# Allegro board 8880F5-0823_2_1.brd (continued)
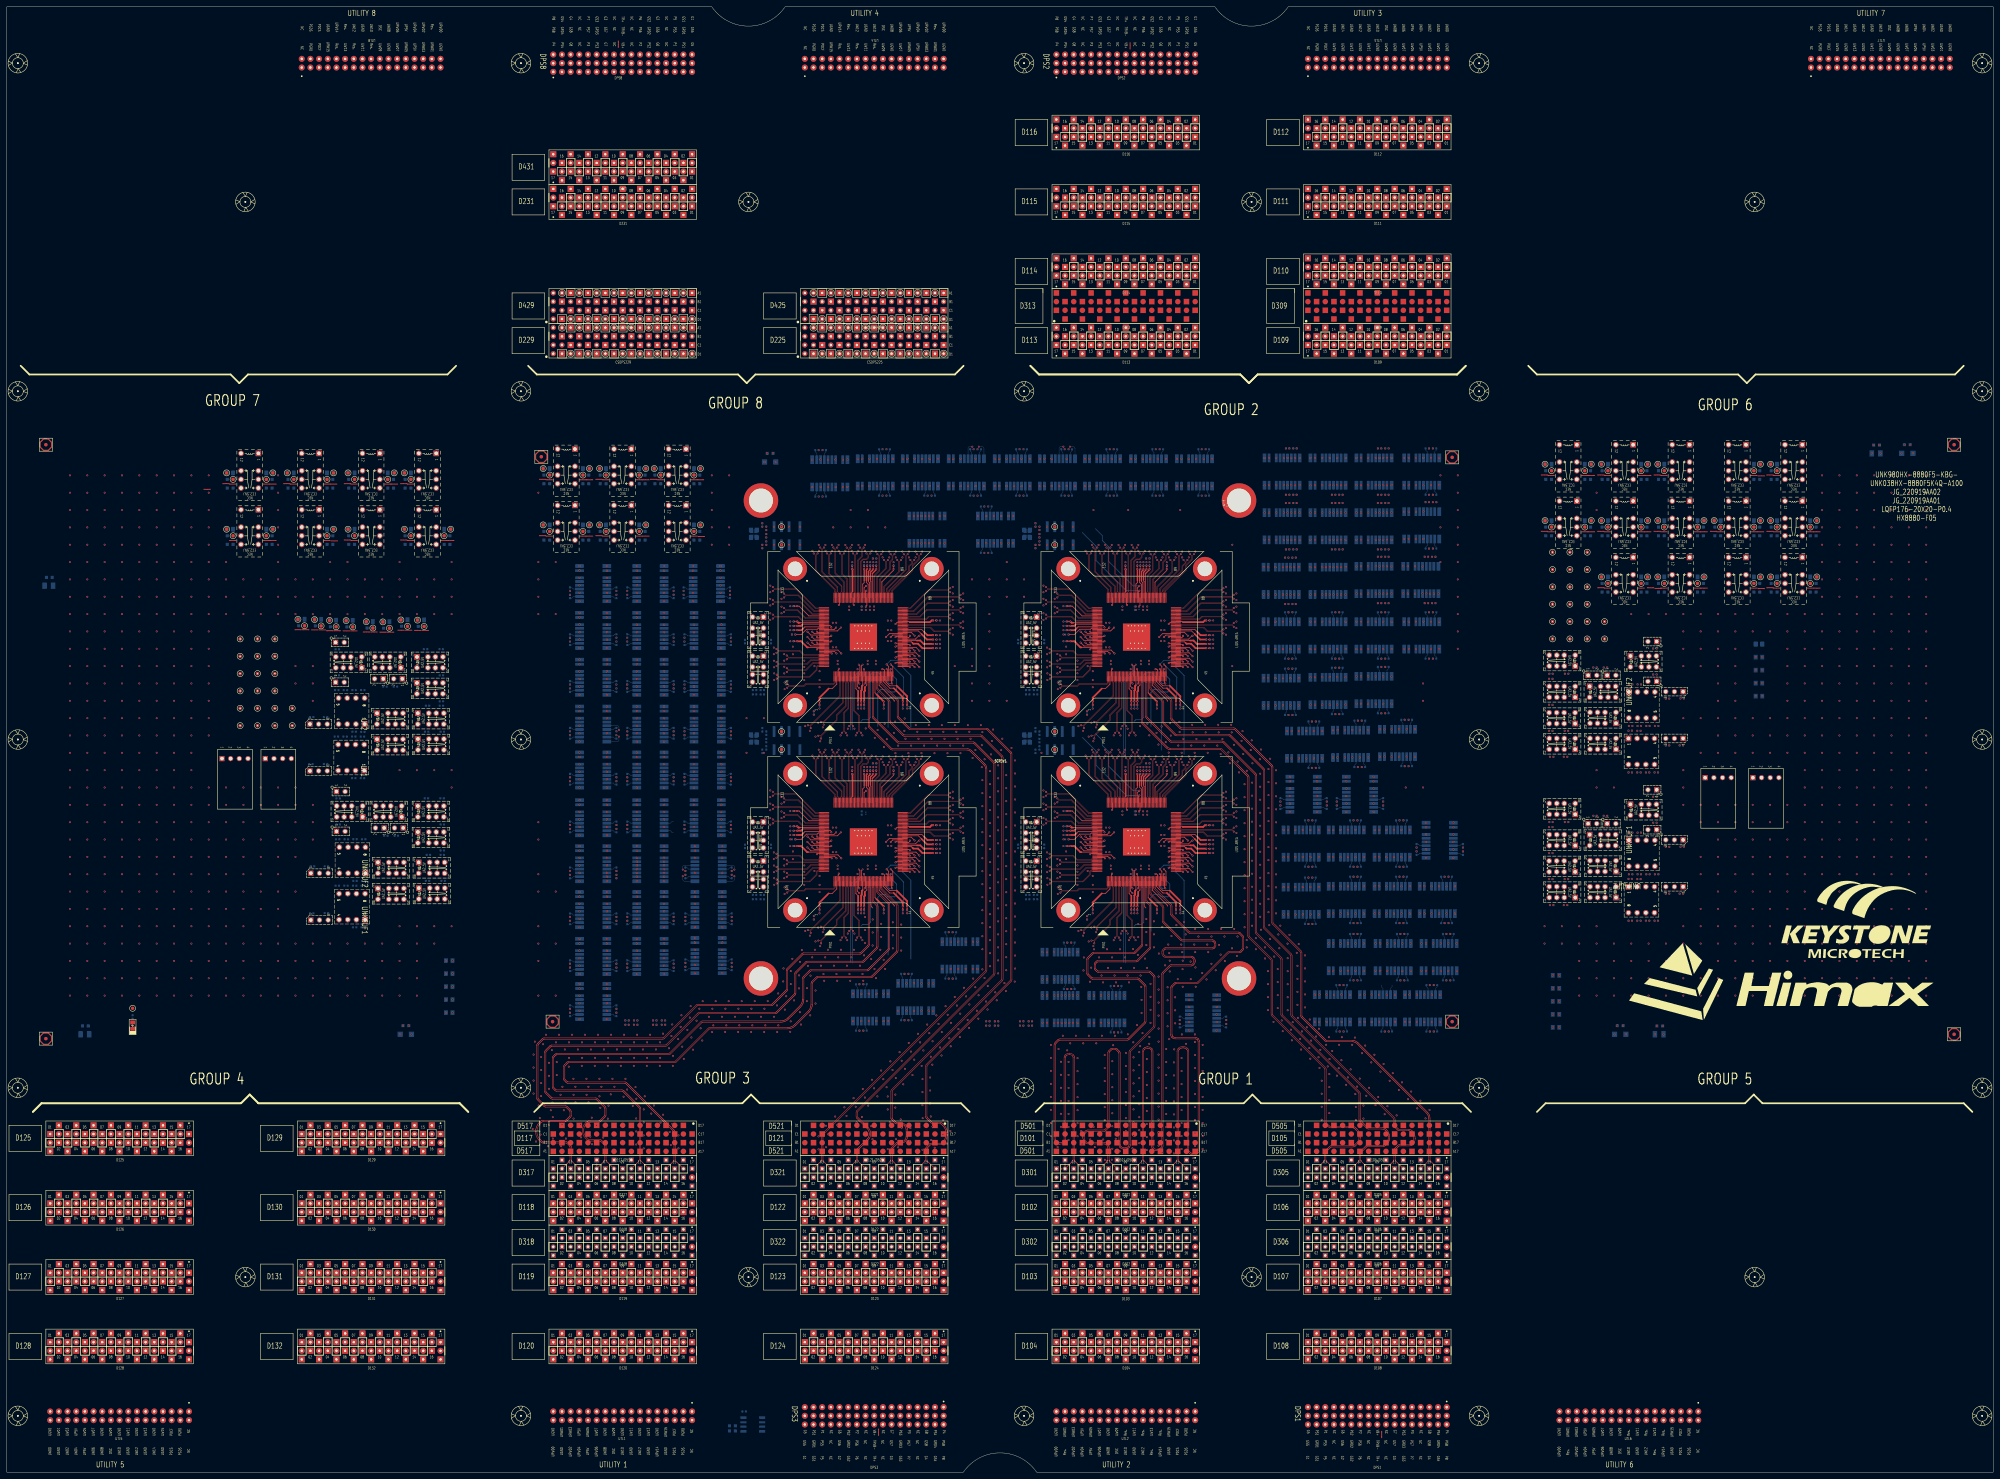
[diagram p0: board, top side]
## Routing (per net, layer and track width the routed paths; a pad name or vN(x,y) marks a point on that pad's centre or on a via; arc(x,y) is an arc through that point) (continued)
  L30_SIGNAL w0.071: v1(409.21,157.67) 408.74,158.14 408.74,159.46 407.95,160.25 406.51,160.25 403.23,163.54 403.23,181.35 400.22,184.35 370.88,184.35 367.52,187.71 364.09,187.71 361.04,190.76 356.72,190.76 v1(356.24,191.23)
S4_1TX_100DCH004+: length 167.8
  TOP w0.086: v1(359.29,192.02) 358.8,192.51 349.46,192.51 347.46,190.51 344.06,190.51 343.98,190.43 SITE4.81
  L07_SIGNAL w0.071: v1(408.07,144.08) 408.47,144.08 408.54,144.01 408.54,116.02
  L30_SIGNAL w0.071: v1(359.29,192.02) 359.76,192.49 366.48,192.49 373.31,185.66 406.99,185.66 411.46,181.18 411.46,171.91 414.42,168.95 422.08,168.95 425.63,165.4 425.63,154.24 423.35,151.96 408.78,151.96 407.35,150.53 407.35,146.59 408.54,145.4 408.54,144.55 v1(408.07,144.08)
S4_1TX_100DCH004-: length 168.1
  TOP w0.086: v1(359.29,193.16) 358.88,192.75 349.36,192.75 347.37,190.75 344.06,190.75 343.98,190.83 SITE4.82
  L07_SIGNAL w0.071: v1(409.21,144.08) 408.81,144.08 408.74,144.01 408.74,116.02
  L30_SIGNAL w0.071: v1(409.21,144.08) 408.74,144.55 408.74,145.48 407.55,146.67 407.55,150.45 408.86,151.76 423.43,151.76 425.82,154.16 425.82,165.48 422.16,169.15 414.5,169.15 411.66,171.99 411.66,181.26 407.07,185.85 373.39,185.85 366.56,192.69 359.76,192.69 v1(359.29,193.16)
S4_1TX_100DCH005+: length 349.8
  TOP w0.086: v1(356.24,193.95) 355.8,194.39 349.61,194.39 346.53,191.31 344.06,191.31 343.98,191.23 SITE4.83
  L07_SIGNAL w0.071: v1(324.25,142.43) 324.65,142.43 324.72,142.36 324.72,141.31 325.98,140.05 325.98,136.96 336.16,126.78 337.81,126.78 341.67,122.92 351.86,122.92 358.88,115.89 358.88,93.49
  L30_SIGNAL w0.071: v1(324.25,142.43) 324.72,141.96 324.72,140.98 325.53,140.17 328.46,140.17 331.92,143.64 344.44,143.64 347.85,140.23 347.85,130.22 352.85,125.22 384.09,125.22 385.18,124.13 396.88,124.13 397.94,123.07 416.57,123.07 428.52,135.03 428.52,189.59 426.43,191.68 412.67,191.68 410.09,189.1 379.69,189.1 377.34,191.45 370.55,191.45 366.32,195.68 362.8,195.68 361.81,194.69 359.32,194.69 357.4,196.62 355.4,196.62 354.77,195.98 354.77,194.95 355.29,194.42 355.77,194.42 v1(356.24,193.95)
S4_1TX_100DCH005-: length 348.1
  TOP w0.086: v1(356.24,195.09) 355.78,194.63 349.51,194.63 346.43,191.55 344.06,191.55 343.98,191.63 SITE4.84
  L07_SIGNAL w0.071: v1(325.39,142.43) 324.99,142.43 324.92,142.36 324.92,141.39 326.18,140.13 326.18,137.04 336.24,126.98 337.89,126.98 341.76,123.11 351.94,123.11 359.08,115.98 359.08,93.49
  L30_SIGNAL w0.071: v1(325.39,142.43) 324.92,141.96 324.92,141.06 325.61,140.37 328.37,140.37 331.84,143.84 344.52,143.84 348.05,140.31 348.05,130.31 352.93,125.42 384.17,125.42 385.27,124.33 396.96,124.33 398.02,123.27 416.49,123.27 428.32,135.11 428.32,189.51 426.35,191.49 412.75,191.49 410.17,188.9 379.61,188.9 377.26,191.25 370.47,191.25 366.24,195.48 362.88,195.48 361.9,194.49 359.24,194.49 357.31,196.42 355.48,196.42 354.97,195.9 354.97,195.03 355.38,194.62 355.77,194.62 v1(356.24,195.09)
S4_1TX_100DCH006+: length 330.5
  TOP w0.086: SITE4.85 343.98,192.03 344.06,192.11 345.58,192.11 349.82,196.36 358.81,196.36 v1(359.29,195.88)
  L07_SIGNAL w0.071: v1(324.25,128.84) 324.65,128.84 324.72,128.91 324.72,129.82 325.12,130.22 328.61,130.22 339.48,119.35 351.84,119.35 355.21,115.98 355.21,93.23
  L30_SIGNAL w0.071: v1(359.29,195.88) 359.76,196.35 366.37,196.35 370.78,191.95 377.66,191.95 380.1,189.5 409.24,189.5 412.66,192.93 427.07,192.93 429.44,190.56 429.44,132.56 415.6,118.72 395.8,118.72 394.81,119.71 343.71,119.71 342.01,121.42 337.17,121.42 327.71,130.88 325.59,130.88 324.72,130.02 324.72,129.31 v1(324.25,128.84)
S4_1TX_100DCH006-: length 330.1
  TOP w0.086: SITE4.86 343.98,192.43 344.06,192.35 345.48,192.35 349.73,196.6 358.87,196.6 v1(359.29,197.02)
  L07_SIGNAL w0.071: v1(325.39,128.84) 324.99,128.84 324.92,128.91 324.92,129.74 325.2,130.02 328.53,130.02 339.4,119.15 351.76,119.15 355.02,115.9 355.02,93.23
  L30_SIGNAL w0.071: v1(359.29,197.02) 359.76,196.55 366.46,196.55 370.86,192.15 377.74,192.15 380.19,189.7 409.15,189.7 412.58,193.13 427.15,193.13 429.64,190.64 429.64,132.48 415.68,118.53 395.72,118.53 394.73,119.51 343.63,119.51 341.92,121.22 337.09,121.22 327.63,130.68 325.67,130.68 324.92,129.94 324.92,129.31 v1(325.39,128.84)
S4_1TX_100DCH007+: length 218.4
  TOP w0.086: v1(356.24,197.81) 355.83,198.23 349.88,198.23 344.57,192.91 344.06,192.91 343.98,192.83 SITE4.87
  L07_SIGNAL w0.071: v1(409.34,220.41) 409.74,220.41 409.81,220.34 409.81,218.73 411.45,217.1 411.45,156.45 413.49,154.41 413.49,113.26
  L30_SIGNAL w0.071: v1(356.24,197.81) 356.72,198.28 362.95,198.28 363.85,199.18 376.1,199.18 379.88,195.39 379.88,190.79 380.51,190.16 386.08,190.16 388.83,192.9 388.83,206.13 387.14,207.82 387.14,209.63 389.74,212.23 403.31,212.23 406.57,215.5 406.57,222.52 407.28,223.23 408.72,223.23 409.81,222.14 409.81,220.88 v1(409.34,220.41)
S4_1TX_100DCH007-: length 218.7
  TOP w0.086: v1(356.24,198.95) 355.76,198.47 349.78,198.47 344.47,193.15 344.06,193.15 343.98,193.23 SITE4.88
  L07_SIGNAL w0.071: 413.69,113.26 413.69,154.5 411.65,156.53 411.65,217.18 410.01,218.82 410.01,220.34 410.08,220.41 v1(410.48,220.41)
  L30_SIGNAL w0.071: v1(356.24,198.95) 356.72,198.48 362.87,198.48 363.77,199.37 376.18,199.37 380.08,195.48 380.08,190.87 380.59,190.36 386,190.36 388.63,192.99 388.63,206.05 386.94,207.74 386.94,209.71 389.66,212.43 403.23,212.43 406.38,215.58 406.38,222.61 407.2,223.43 408.8,223.43 410.01,222.22 410.01,220.88 v1(410.48,220.41)
S4_2AUX+:
  vias: v1(300.22,132.08) v1(300.22,130.81)
S4_2AUX-:
  vias: v1(296.68,130.81) v1(297.68,132.08)
S4_2TX_100DCH001+: length 206.1
  TOP w0.086: v1(347.64,208.93) 347.21,208.5 347.21,207.41 345.32,205.52 345.32,204.13 339.35,198.16 339.35,197.86 339.43,197.78 SITE4.89
  L05_SIGNAL w0.071: 441.62,103.42 441.62,175.55 425.33,191.84 419.18,191.84 409.81,201.21 409.81,206.75 409.74,206.82 v1(409.34,206.82)
  L32_SIGNAL w0.071: v1(409.34,206.82) 409.81,207.29 409.81,208.53 405.73,212.61 364.3,212.61 363.28,211.59 347.69,211.59 347.17,211.08 347.17,209.4 v1(347.64,208.93)
S4_2TX_100DCH001-: length 206.8
  TOP w0.086: v1(346.5,208.93) 346.97,208.46 346.97,207.51 345.08,205.62 345.08,204.23 339.11,198.26 339.11,197.86 339.03,197.78 SITE4.90
  L05_SIGNAL w0.071: v1(410.48,206.82) 410.08,206.82 410.01,206.75 410.01,201.29 419.27,192.04 425.41,192.04 441.82,175.63 441.82,103.42
  L32_SIGNAL w0.071: v1(410.48,206.82) 410.01,207.29 410.01,208.61 405.81,212.81 364.22,212.81 363.2,211.79 347.61,211.79 346.97,211.16 346.97,209.4 v1(346.5,208.93)
S4_2TX_100DCH002+: length 213.3
  TOP w0.086: v1(345.72,207.21) 345.28,206.78 345.28,206.31 344.35,205.37 344.35,204.04 338.55,198.23 338.55,197.86 338.63,197.78 SITE4.91
  L05_SIGNAL w0.071: 425.31,102.12 425.31,152.51 422,155.81 422,157.6 421.93,157.67 v1(421.53,157.67)
  L32_SIGNAL w0.071: v1(421.53,157.67) 422,157.2 422,155.99 424.45,153.55 426.35,153.55 427.29,154.49 427.29,192.87 420.47,199.7 360.61,199.7 357.38,196.47 349.01,196.47 345.24,200.23 345.24,206.74 v1(345.72,207.21)
S4_2TX_100DCH002-: length 212.7
  TOP w0.086: v1(344.57,207.21) 345.04,206.74 345.04,206.4 344.11,205.47 344.11,204.13 338.31,198.33 338.31,197.86 338.23,197.78 SITE4.92
  L05_SIGNAL w0.071: v1(422.68,157.67) 422.27,157.67 422.2,157.6 422.2,155.9 425.51,152.59 425.51,102.12
  L32_SIGNAL w0.071: v1(344.57,207.21) 345.04,206.74 345.04,200.15 348.93,196.27 357.46,196.27 360.69,199.5 420.38,199.5 427.09,192.79 427.09,154.57 426.27,153.74 424.53,153.74 422.2,156.07 422.2,157.2 v1(422.68,157.67)
S4_2TX_100DCH003+: length 213.2
  TOP w0.086: v1(343.79,208.93) 343.34,208.49 343.34,204.27 337.75,198.68 337.75,197.86 337.83,197.78 SITE4.93
  L05_SIGNAL w0.071: 422,101.87 422,144.01 421.93,144.08 v1(421.53,144.08)
  L32_SIGNAL w0.071: v1(421.53,144.08) 422.01,144.56 422.01,145.55 427.98,151.53 427.98,201.66 415.42,214.22 371.28,214.22 369.91,215.59 347.22,215.59 343.31,211.69 343.31,209.4 v1(343.79,208.93)
S4_2TX_100DCH003-: length 213.9
  TOP w0.086: v1(342.64,208.93) 343.1,208.47 343.1,204.37 337.51,198.78 337.51,197.86 337.43,197.78 SITE4.94
  L05_SIGNAL w0.071: v1(422.68,144.08) 422.27,144.08 422.2,144.01 422.2,101.87
  L32_SIGNAL w0.071: v1(422.68,144.08) 422.21,144.55 422.21,145.47 428.18,151.44 428.18,201.75 415.51,214.42 371.37,214.42 369.99,215.79 347.14,215.79 343.12,211.77 343.12,209.4 v1(342.64,208.93)
S4_2TX_100DCH004+: length 281.2
  TOP w0.086: v1(341.86,207.21) 341.41,206.77 341.41,203.74 336.95,199.28 336.95,197.86 337.03,197.78 SITE4.95
  L05_SIGNAL w0.071: v1(394.35,157.67) 394.76,157.67 394.83,157.6 394.83,156.42 396.28,154.96 396.28,140.99 396.79,140.48 396.79,125.46 394.06,122.73 394.06,102.43
  L32_SIGNAL w0.071: v1(394.35,157.67) 394.83,158.14 394.83,159.08 395.84,160.09 400.33,160.09 403.74,156.68 417.43,156.68 419.04,155.07 419.04,145.03 420.96,143.11 424.94,143.11 430.69,148.86 430.69,202.43 417.29,215.82 374.24,215.82 372.38,217.68 345.79,217.68 341.38,213.27 341.38,207.69 v1(341.86,207.21)
S4_2TX_100DCH004-: length 281.9
  TOP w0.086: v1(340.71,207.21) 341.17,206.75 341.17,203.84 336.71,199.38 336.71,197.86 336.63,197.78 SITE4.96
  L05_SIGNAL w0.071: 394.26,102.43 394.26,122.65 396.99,125.38 396.99,140.56 396.48,141.07 396.48,155.05 395.03,156.5 395.03,157.6 395.1,157.67 v1(395.5,157.67)
  L32_SIGNAL w0.071: v1(395.5,157.67) 395.02,158.14 395.02,159 395.92,159.9 400.25,159.9 403.66,156.48 417.35,156.48 418.84,154.99 418.84,144.95 420.87,142.91 425.02,142.91 430.88,148.78 430.88,202.51 417.37,216.02 374.32,216.02 372.46,217.88 345.71,217.88 341.19,213.36 341.19,207.69 v1(340.71,207.21)
S4_2TX_100DCH005+: length 278.1
  TOP w0.086: v1(339.93,208.93) 339.46,208.47 339.46,207.3 338.7,206.53 338.7,204.43 335.75,201.48 335.75,197.86 335.83,197.78 SITE4.98
  L05_SIGNAL w0.071: v1(394.35,144.08) 394.76,144.08 394.83,144.01 394.83,129.6 391.44,126.21 391.44,101.9
  L32_SIGNAL w0.071: v1(339.93,208.93) 339.45,209.4 339.45,212.46 338.49,213.43 338.49,216.25 340.43,218.19 419,218.19 433.21,203.98 433.21,145.78 425.99,138.56 401.79,138.56 400.81,139.53 400.81,145.75 398.21,148.36 397.41,148.36 394.83,145.77 394.83,144.55 v1(394.35,144.08)
S4_2TX_100DCH005-: length 278.8
  TOP w0.086: SITE4.99 335.43,197.78 335.51,197.86 335.51,201.58 338.46,204.53 338.46,206.63 339.22,207.4 339.22,208.49 v1(338.78,208.93)
  L05_SIGNAL w0.071: 391.64,101.9 391.64,126.12 395.03,129.51 395.03,144.01 395.1,144.08 v1(395.5,144.08)
  L32_SIGNAL w0.071: v1(395.5,144.08) 395.02,144.55 395.02,145.69 397.49,148.16 398.12,148.16 400.62,145.67 400.62,139.45 401.7,138.36 426.07,138.36 433.41,145.7 433.41,204.06 419.09,218.39 340.35,218.39 338.29,216.33 338.29,213.35 339.26,212.38 339.26,209.4 v1(338.78,208.93)
S4_2TX_100DCH006+: length 203.9
  TOP w0.086: v1(338,207.21) 337.55,206.76 337.55,204.67 334.95,202.07 334.95,197.86 335.03,197.78 SITE4.100
  L05_SIGNAL w0.071: v1(426.4,182.99) 426.4,182.59 426.47,182.52 427.79,182.52 440.08,170.22 440.08,103.14
  L32_SIGNAL w0.071: v1(426.4,182.99) 425.93,182.52 424.72,182.52 415.23,192 393.71,192 392.01,190.29 374.85,190.29 372.95,192.2 362.13,192.2 360.86,190.93 359.63,190.93 357.54,193.01 350.99,193.01 344.12,199.88 339.26,199.88 337.53,201.61 337.53,206.74 v1(338,207.21)
S4_2TX_100DCH006-: length 203.9
  TOP w0.086: v1(336.85,207.21) 337.31,206.76 337.31,204.77 334.71,202.17 334.71,197.86 334.63,197.78 SITE4.101
  L05_SIGNAL w0.071: v1(426.4,181.84) 426.4,182.25 426.47,182.32 427.71,182.32 439.88,170.14 439.88,103.14
  L32_SIGNAL w0.071: v1(336.85,207.21) 337.33,206.74 337.33,201.53 339.18,199.68 344.04,199.68 350.91,192.82 357.46,192.82 359.55,190.73 360.94,190.73 362.21,192 372.87,192 374.77,190.1 392.09,190.1 393.79,191.8 415.15,191.8 424.63,182.32 425.93,182.32 v1(426.4,181.84)
S4_2TX_100DCH007+: length 205.6
  TOP w0.086: v1(336.07,208.93) 335.64,208.51 335.64,204.07 334.15,202.58 334.15,197.86 334.23,197.78 SITE4.102
  L05_SIGNAL w0.071: v1(412.81,182.99) 412.81,182.59 412.89,182.52 414.5,182.52 415.72,181.29 424.33,181.29 437.99,167.63 437.99,103.09
  L32_SIGNAL w0.071: v1(412.81,182.99) 412.32,182.5 407.75,182.5 405.49,184.75 405.49,188.39 404.36,189.52 369.32,189.52 367.12,191.71 362.46,191.71 361.14,190.4 359.41,190.4 357.44,192.37 350.37,192.37 343.59,199.14 338.86,199.14 335.6,202.4 335.6,208.46 v1(336.07,208.93)
S4_2TX_100DCH007-: length 205.6
  TOP w0.086: v1(334.93,208.93) 335.4,208.46 335.4,204.17 333.91,202.68 333.91,197.86 333.83,197.78 SITE4.103
  L05_SIGNAL w0.071: v1(412.81,181.84) 412.81,182.25 412.89,182.32 414.41,182.32 415.64,181.09 424.25,181.09 437.79,167.54 437.79,103.09
  L32_SIGNAL w0.071: v1(334.93,208.93) 335.4,208.46 335.4,202.32 338.77,198.94 343.51,198.94 350.28,192.17 357.36,192.17 359.33,190.2 361.23,190.2 362.54,191.52 367.04,191.52 369.23,189.32 404.28,189.32 405.3,188.3 405.3,184.67 407.67,182.3 412.36,182.3 v1(412.81,181.84)
S4_3TX_100DCH002+: length 225.2
  TOP w0.086: SITE4.114 329.43,197.78 329.35,197.86 329.35,207.06 330.46,208.18 330.46,210.4 v1(330.93,210.87)
  L07_SIGNAL w0.071: v1(403.5,129.1) 403.9,129.1 403.97,129.02 403.97,108.56 400.91,105.5 400.91,103.04
  L30_SIGNAL w0.071: v1(403.5,129.1) 403.98,128.61 403.98,127.04 403.4,126.45 401.62,126.45 400.84,127.24 400.84,134.86 402.67,136.7 418.5,136.7 420.76,138.95 420.76,142.71 419.12,144.35 414.37,144.35 412.68,142.66 402.3,142.66 398.7,146.26 398.7,177.74 395.32,181.12 359.47,181.12 353.69,186.9 346.84,186.9 330.46,203.29 330.46,210.4 v1(330.93,210.87)
S4_3TX_100DCH002-: length 225.8
  TOP w0.086: v1(329.79,210.87) 330.22,210.43 330.22,208.28 329.11,207.16 329.11,197.86 329.03,197.78 SITE4.115
  L07_SIGNAL w0.071: 401.11,103.04 401.11,105.42 404.17,108.48 404.17,129.02 404.24,129.1 v1(404.64,129.1)
  L30_SIGNAL w0.071: v1(329.79,210.87) 330.26,210.4 330.26,203.2 346.76,186.7 353.61,186.7 359.39,180.92 395.23,180.92 398.5,177.66 398.5,146.18 402.21,142.47 412.76,142.47 414.45,144.16 419.03,144.16 420.56,142.63 420.56,139.04 418.42,136.9 402.59,136.9 400.64,134.94 400.64,127.15 401.54,126.25 403.48,126.25 404.18,126.95 404.18,128.64 v1(404.64,129.1)
S4_3TX_100DCH003+: length 183.9
  TOP w0.086: SITE4.116 328.63,197.78 328.55,197.86 328.55,208.77 v1(328.93,209.15)
  L07_SIGNAL w0.071: v1(381.15,190.94) 381.55,190.94 381.62,190.87 381.62,189.99 380.18,188.55 380.18,183.07 378.42,181.31 378.42,156.17 370.1,147.85 370.1,104.56
  L30_SIGNAL w0.071: v1(381.15,190.94) 381.55,190.94 381.62,191.02 381.62,199.41 379.48,201.55 379.48,210.1 374.52,215.06 359.65,215.06 358.11,213.51 344.13,213.51 343.09,214.54 330.34,214.54 328.46,212.66 328.46,209.62 v1(328.93,209.15)
S4_3TX_100DCH003-: length 184.6
  TOP w0.086: SITE4.117 328.23,197.78 328.31,197.86 328.31,208.63 v1(327.79,209.15)
  L07_SIGNAL w0.071: 370.3,104.56 370.3,147.77 378.62,156.09 378.62,181.23 380.38,182.99 380.38,188.47 381.82,189.91 381.82,190.87 381.89,190.94 v1(382.29,190.94)
  L30_SIGNAL w0.071: v1(327.79,209.15) 328.26,209.62 328.26,212.75 330.26,214.74 343.18,214.74 344.21,213.71 358.02,213.71 359.57,215.25 374.61,215.25 379.68,210.18 379.68,201.63 381.82,199.49 381.82,191.02 381.89,190.94 v1(382.29,190.94)
S4_3TX_100DCH004+: length 174.2
  TOP w0.086: SITE4.120 327.03,197.78 326.95,197.86 326.95,202.28 326.61,202.62 326.61,210.41 v1(327.07,210.87)
  L07_SIGNAL w0.071: 375.3,103.75 375.3,127.8 381.13,133.63 381.13,139.42 384.81,143.11 384.81,173.1 381.62,176.29 381.62,177.28 381.55,177.36 v1(381.15,177.36)
  L30_SIGNAL w0.071: v1(381.15,177.36) 381.62,176.88 381.62,175.67 380.87,174.92 373.86,174.92 371.84,176.94 353.3,176.94 348.43,181.8 346.06,181.8 342.91,184.95 342.91,189.2 340.99,191.13 337.77,191.13 326.6,202.3 326.6,210.4 v1(327.07,210.87)
S4_3TX_100DCH004-: length 174.9
  TOP w0.086: SITE4.121 326.63,197.78 326.71,197.86 326.71,202.19 326.38,202.52 326.38,210.42 v1(325.93,210.87)
  L07_SIGNAL w0.071: 375.5,103.75 375.5,127.72 381.33,133.55 381.33,139.34 385.01,143.03 385.01,173.18 381.82,176.37 381.82,177.28 381.89,177.36 v1(382.29,177.36)
  L30_SIGNAL w0.071: v1(382.29,177.36) 381.82,176.88 381.82,175.58 380.96,174.72 373.78,174.72 371.76,176.74 353.21,176.74 348.35,181.6 345.98,181.6 342.72,184.87 342.72,189.12 340.91,190.93 337.69,190.93 326.4,202.22 326.4,210.4 v1(325.93,210.87)
S4_3TX_100DCH005+: length 193.2
  TOP w0.086: v1(325.14,209.15) 324.69,208.7 324.69,203.17 326.15,201.71 326.15,197.86 326.23,197.78 SITE4.122
  L07_SIGNAL w0.071: v1(394.35,174.43) 394.76,174.43 394.83,174.36 394.83,172.79 389.38,167.34 389.38,130.96 385.52,127.1 385.52,117.62 384.04,116.14 384.04,104.59
  L30_SIGNAL w0.071: v1(325.14,209.15) 324.67,208.68 324.67,196.15 326.01,194.81 326.01,176.77 329.58,173.19 394.39,173.19 394.83,173.63 394.83,173.96 v1(394.35,174.43)
S4_3TX_100DCH005-: length 193.9
  TOP w0.086: SITE4.123 325.83,197.78 325.91,197.86 325.91,201.61 324.46,203.07 324.46,208.69 v1(324,209.15)
  L07_SIGNAL w0.071: v1(395.5,174.43) 395.1,174.43 395.03,174.36 395.03,172.71 389.58,167.26 389.58,130.88 385.71,127.02 385.71,117.54 384.24,116.06 384.24,104.59
  L30_SIGNAL w0.071: v1(395.5,174.43) 395.02,173.96 395.02,173.55 394.47,173 329.5,173 325.82,176.68 325.82,194.73 324.47,196.07 324.47,208.68 v1(324,209.15)
S4_3TX_100DCH006+: length 195.4
  TOP w0.086: v1(323.16,210.88) 322.73,210.45 322.73,203.37 325.35,200.75 325.35,197.86 325.43,197.78 SITE4.124
  L07_SIGNAL w0.071: v1(394.35,160.85) 394.76,160.85 394.83,160.77 394.83,159.83 396.4,158.26 396.4,141.72 394.82,140.14 394.82,128.84 391.52,125.54 391.52,116.47 390.11,115.07 390.11,104.19
  L30_SIGNAL w0.071: v1(323.16,210.88) 322.69,210.41 322.69,192.54 325.23,189.99 325.23,175.17 328.31,172.1 357.67,172.1 360.7,169.06 388.65,169.06 391.47,166.25 391.47,160.04 392.76,158.75 394.29,158.75 394.83,159.29 394.83,160.37 v1(394.35,160.85)
S4_3TX_100DCH006-: length 196
  TOP w0.086: v1(322.02,210.88) 322.49,210.41 322.49,203.28 325.11,200.65 325.11,197.86 325.03,197.78 SITE4.125
  L07_SIGNAL w0.071: 390.31,104.19 390.31,114.99 391.72,116.39 391.72,125.45 395.02,128.75 395.02,140.06 396.6,141.64 396.6,158.34 395.03,159.91 395.03,160.77 395.1,160.85 v1(395.5,160.85)
  L30_SIGNAL w0.071: v1(395.5,160.85) 395.02,160.37 395.02,159.21 394.37,158.55 392.68,158.55 391.27,159.96 391.27,166.16 388.57,168.87 360.62,168.87 357.59,171.9 328.22,171.9 325.03,175.09 325.03,189.91 322.49,192.45 322.49,210.41 v1(322.02,210.88)
S4_3TX_100DCH007+: length 205.6
  TOP w0.086: v1(321.28,209.15) 320.83,208.7 320.83,203.34 324.55,199.62 324.55,197.86 324.63,197.78 SITE4.126
  L07_SIGNAL w0.071: 418.55,113.1 418.55,140.18 417.18,141.55 417.18,142.61 417.11,142.68 v1(416.71,142.68)
  L30_SIGNAL w0.071: v1(321.28,209.15) 320.81,208.68 320.81,156.64 325.48,151.97 329.66,151.97 333.56,155.86 359.5,155.86 363.54,151.83 377.21,151.83 388.06,140.97 416.32,140.97 417.18,141.83 417.18,142.21 v1(416.71,142.68)
S4_3TX_100DCH007-: length 206.2
  TOP w0.086: SITE4.127 324.23,197.78 324.31,197.86 324.31,199.52 320.59,203.24 320.59,208.7 v1(320.14,209.15)
  L07_SIGNAL w0.071: v1(417.85,142.68) 417.45,142.68 417.38,142.61 417.38,141.63 418.75,140.26 418.75,113.1
  L30_SIGNAL w0.071: v1(320.14,209.15) 320.61,208.68 320.61,156.55 325.4,151.77 329.75,151.77 333.65,155.67 359.42,155.67 363.45,151.63 377.13,151.63 387.98,140.77 416.4,140.77 417.38,141.75 417.38,142.21 v1(417.85,142.68)
S4_4TX_100DCH001+: length 260.6
  TOP w0.086: v1(319.3,210.88) 318.85,210.43 318.85,203.79 323.35,199.29 323.35,197.86 323.43,197.78 SITE4.129
  L05_SIGNAL w0.071: v1(416.71,129.1) 417.11,129.1 417.18,129.02 417.18,101.8
  L32_SIGNAL w0.071: v1(319.3,210.88) 318.83,211.35 318.83,212.23 327.12,220.51 346.58,220.51 347.35,219.74 379.05,219.74 380.17,220.86 404.34,220.86 405.89,219.32 419.72,219.32 434.95,204.09 434.95,140.66 428.78,134.49 420.85,134.49 417.18,130.82 417.18,129.57 v1(416.71,129.1)
S4_4TX_100DCH001-: length 261.2
  TOP w0.086: SITE4.130 323.03,197.78 323.11,197.86 323.11,199.19 318.61,203.69 318.61,210.43 v1(318.16,210.88)
  L05_SIGNAL w0.071: v1(417.85,129.1) 417.45,129.1 417.38,129.02 417.38,101.8
  L32_SIGNAL w0.071: v1(318.16,210.88) 318.63,211.35 318.63,212.31 327.03,220.71 346.66,220.71 347.44,219.94 378.97,219.94 380.09,221.06 404.43,221.06 405.97,219.52 419.8,219.52 435.15,204.17 435.15,140.58 428.87,134.29 420.93,134.29 417.38,130.74 417.38,129.57 v1(417.85,129.1)
S4_4TX_100DCH002+: length 269.8
  TOP w0.086: SITE4.131 322.63,197.78 322.55,197.86 322.55,198.66 316.97,204.24 316.97,208.69 v1(317.43,209.15)
  L05_SIGNAL w0.071: v1(390.29,142.68) 390.69,142.68 390.76,142.61 390.76,141.01 385.36,135.61 385.36,117.6 382.97,115.21 382.97,101.94
  L32_SIGNAL w0.071: v1(317.43,209.15) 316.95,208.68 316.95,207.81 316.62,207.47 315.5,207.47 313.28,209.69 308.81,209.69 296.71,197.59 296.71,137.11 303.55,130.27 335.57,130.27 340.91,124.93 349.47,124.93 351.58,122.83 391.17,122.83 392.28,123.94 392.28,139.44 390.76,140.95 390.76,142.21 v1(390.29,142.68)
S4_4TX_100DCH002-: length 270.5
  TOP w0.086: v1(316.28,209.15) 316.73,208.71 316.73,204.14 322.31,198.56 322.31,197.86 322.23,197.78 SITE4.132
  L05_SIGNAL w0.071: v1(391.43,142.68) 391.03,142.68 390.96,142.61 390.96,140.93 385.56,135.53 385.56,117.52 383.17,115.13 383.17,101.94
  L32_SIGNAL w0.071: v1(391.43,142.68) 390.96,142.21 390.96,141.04 392.48,139.52 392.48,123.86 391.25,122.63 351.5,122.63 349.39,124.74 340.82,124.74 335.49,130.07 303.46,130.07 296.51,137.03 296.51,197.67 308.73,209.89 313.36,209.89 315.58,207.67 316.53,207.67 316.75,207.89 316.75,208.68 v1(316.28,209.15)
S4_4TX_100DCH003+: length 212.6
  TOP w0.086: v1(304.31,199.31) 304.75,198.87 311.22,198.87 316.94,193.15 317.6,193.15 317.68,193.23 SITE4.133
  L05_SIGNAL w0.071: 388.21,102.04 388.21,119.21 389.09,120.09 389.09,126.98 390.76,128.65 390.76,129.02 390.69,129.1 v1(390.29,129.1)
  L32_SIGNAL w0.071: v1(304.31,199.31) 303.83,198.84 302.27,198.84 300.03,196.6 300.03,138.24 305.2,133.08 335.6,133.08 336.9,131.78 340.56,131.78 342.24,133.46 345.65,133.46 348.81,130.3 368.29,130.3 373.6,125 383.29,125 387.21,128.92 387.21,130.15 388.18,131.12 390.17,131.12 390.76,130.53 390.76,129.57 v1(390.29,129.1)
S4_4TX_100DCH003-: length 212.3
  TOP w0.086: SITE4.134 317.68,192.83 317.6,192.91 316.84,192.91 311.12,198.63 304.77,198.63 v1(304.31,198.17)
  L05_SIGNAL w0.071: v1(391.43,129.1) 391.03,129.1 390.96,129.02 390.96,128.57 389.28,126.89 389.28,120.01 388.41,119.13 388.41,102.04
  L32_SIGNAL w0.071: v1(304.31,198.17) 303.83,198.64 302.36,198.64 300.23,196.52 300.23,138.32 305.28,133.27 335.69,133.27 336.99,131.98 340.47,131.98 342.16,133.66 345.73,133.66 348.89,130.5 368.38,130.5 373.68,125.2 383.21,125.2 387.01,129.01 387.01,130.24 388.1,131.32 390.25,131.32 390.96,130.61 390.96,129.57 v1(391.43,129.1)
S4_4TX_100DCH004+: length 200
  TOP w0.086: SITE4.135 317.68,192.43 317.6,192.35 316.46,192.35 311.86,196.95 308.04,196.95 v1(307.6,197.38)
  L05_SIGNAL w0.071: v1(407.82,174.43) 408.22,174.43 408.29,174.36 408.29,173.18 410,171.47 410,111.84 408.93,110.77 408.93,102.84
  L32_SIGNAL w0.071: v1(407.82,174.43) 408.29,173.96 408.29,172.79 407.97,172.47 405.75,172.47 401.56,176.65 362.95,176.65 342.69,196.91 308.07,196.91 v1(307.6,197.38)
S4_4TX_100DCH004-: length 200.3
  TOP w0.086: SITE4.136 317.68,192.03 317.6,192.11 316.36,192.11 311.76,196.71 308.07,196.71 v1(307.6,196.24)
  L05_SIGNAL w0.071: v1(408.96,174.43) 408.56,174.43 408.49,174.36 408.49,173.26 410.2,171.55 410.2,111.76 409.13,110.69 409.13,102.84
  L32_SIGNAL w0.071: v1(307.6,196.24) 308.07,196.71 342.61,196.71 362.86,176.46 401.48,176.46 405.66,172.27 408.05,172.27 408.49,172.71 408.49,173.96 v1(408.96,174.43)
S4_4TX_100DCH005+: length 207.8
  TOP w0.086: v1(304.31,195.45) 304.75,195.01 312.43,195.01 315.88,191.55 317.6,191.55 317.68,191.63 SITE4.137
  L05_SIGNAL w0.071: 399.33,102.79 399.33,112.2 405.33,118.2 405.33,156.76 408.29,159.71 408.29,160.77 408.22,160.85 v1(407.82,160.85)
  L32_SIGNAL w0.071: v1(304.31,195.45) 304.78,194.98 305.28,194.98 305.98,194.28 307.7,194.28 311.61,190.36 343.35,190.36 348.16,185.55 348.16,178.67 357.85,168.98 399.27,168.98 402.79,165.45 402.79,159.81 404.36,158.25 407.3,158.25 408.29,159.24 408.29,160.37 v1(407.82,160.85)
S4_4TX_100DCH005-: length 208.1
  TOP w0.086: SITE4.138 317.68,191.23 317.6,191.31 315.78,191.31 312.33,194.77 304.76,194.77 v1(304.31,194.31)
  L05_SIGNAL w0.071: v1(408.96,160.85) 408.56,160.85 408.49,160.77 408.49,159.63 405.53,156.67 405.53,118.12 399.53,112.11 399.53,102.79
  L32_SIGNAL w0.071: v1(304.31,194.31) 304.78,194.78 305.19,194.78 305.89,194.08 307.61,194.08 311.53,190.16 343.27,190.16 347.96,185.47 347.96,178.59 357.77,168.78 399.19,168.78 402.6,165.37 402.6,159.73 404.28,158.05 407.38,158.05 408.49,159.16 408.49,160.37 v1(408.96,160.85)
S4_4TX_100DCH006+: length 147.6
  TOP w0.086: v1(307.6,193.14) 308.04,192.7 311.52,192.7 313.87,190.35 317.6,190.35 317.68,190.43 SITE4.140
  L05_SIGNAL w0.071: v1(310.53,155.13) 310.94,155.13 311.01,155.06 311.01,153.91 312.46,152.45 312.46,144.17 315.38,141.25 335.68,141.25 337.47,143.05 346.08,143.05 355.52,133.6 355.52,103.15
  L32_SIGNAL w0.071: v1(307.6,193.14) 307.13,192.67 306.36,192.67 305.06,191.37 305.06,184.47 303.64,183.05 303.64,164.86 311.01,157.49 311.01,155.6 v1(310.53,155.13)
